# Altium PCB [OSHW_01]_RES-DEC-PCB-v2.PcbDoc
Units mm, origin at the board's own origin, x right, y up, seen from the top; angles counter-clockwise.
Board outline 95 x 50 mm, 2 copper layers (Top Layer, Bottom Layer); 132 components, 61 nets, 361 pads, 0 vias.
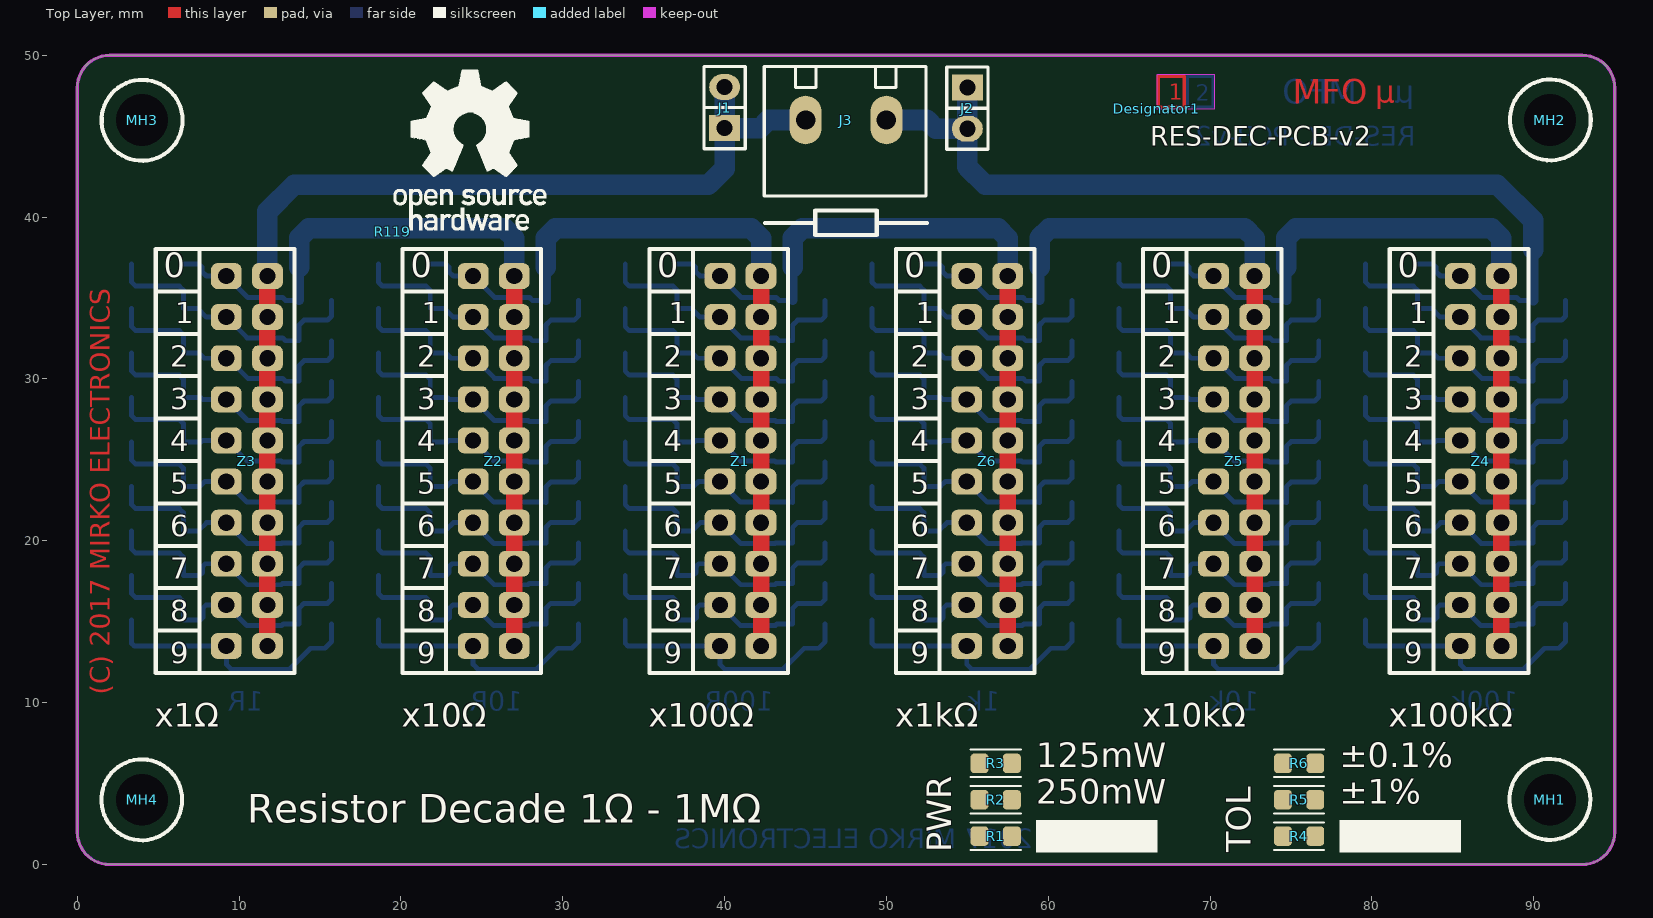
[diagram p0: Top Layer view]
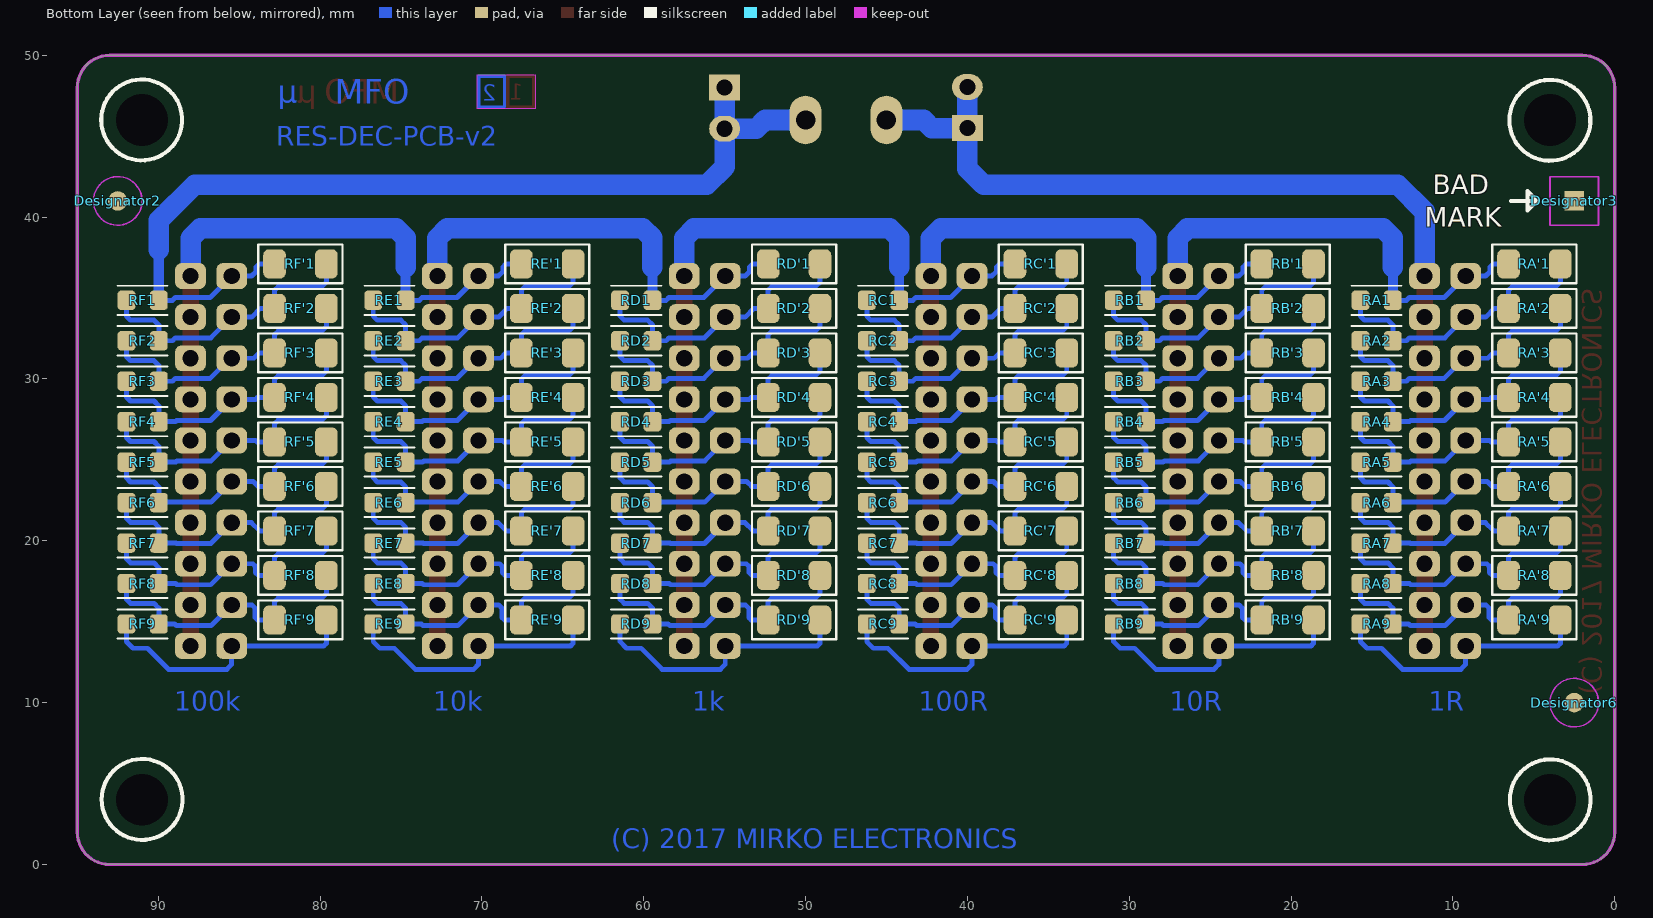
[diagram p1: Bottom Layer view, seen from below]
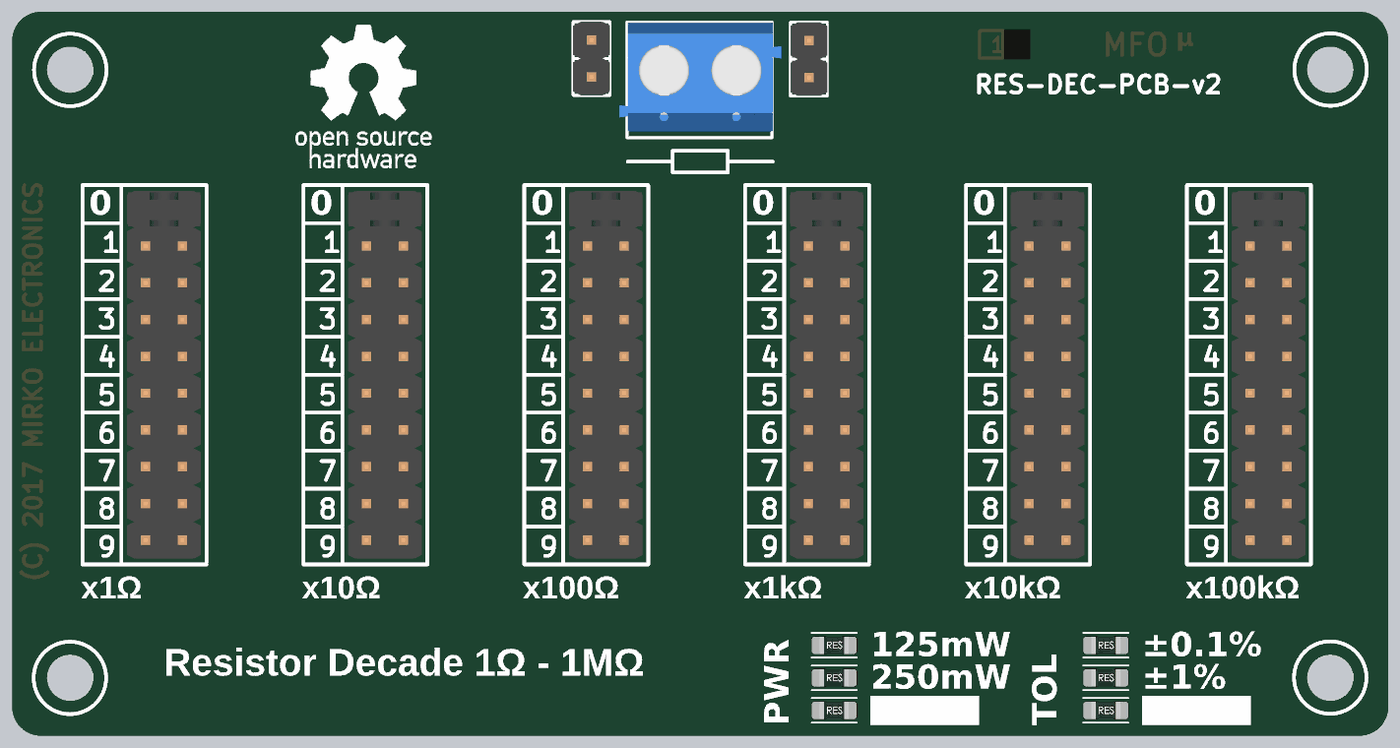
[diagram p2: 3D render of the assembled board from above, using the file's embedded part models]
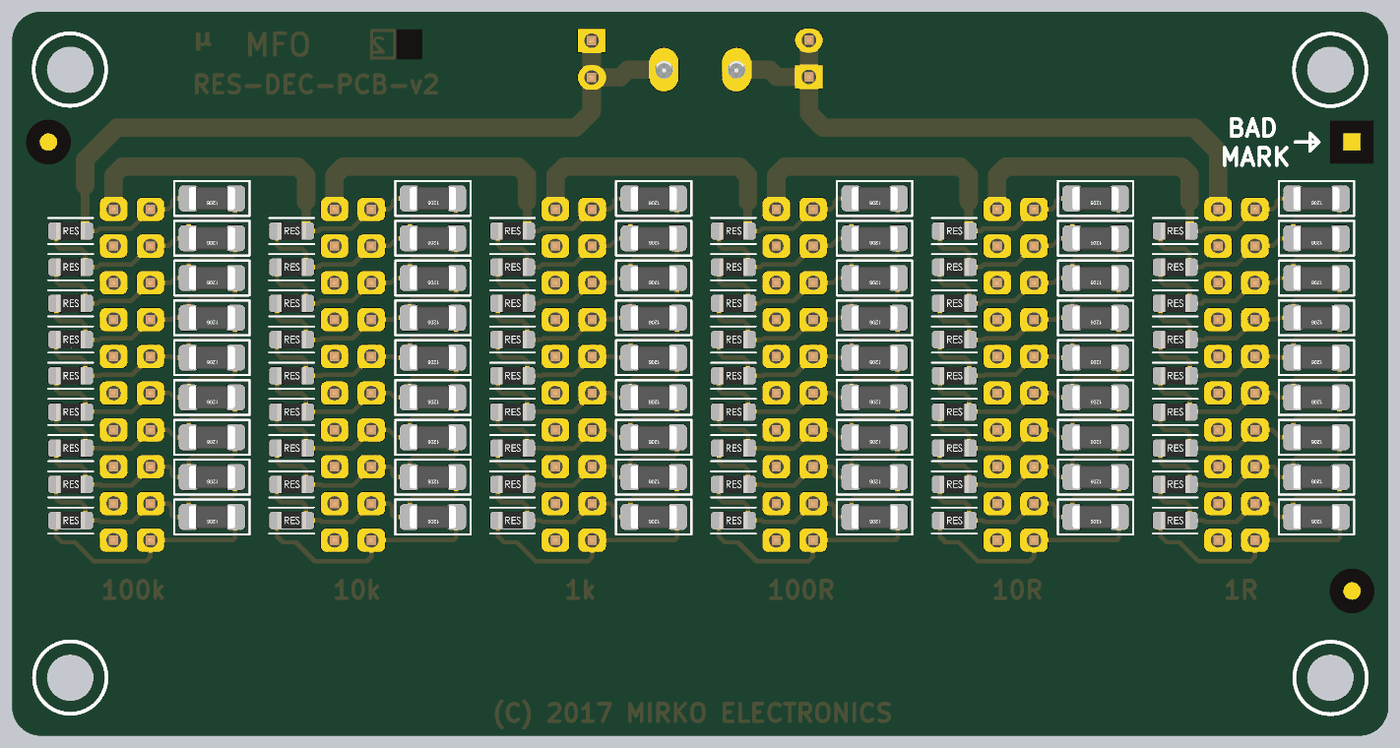
[diagram p3: 3D render of the assembled board from below, using the file's embedded part models]

## Layer stack, top to bottom
Top Solder: solder mask 0.0102, Solder Resist, Dk 3.5
Top Layer: signal copper 0.0356
Dielectric1: dielectric 0.32, FR-4, Dk 4.8
Bottom Layer: signal copper 0.0356
Bottom Solder: solder mask 0.0102, Solder Resist, Dk 3.5

## Board outline
0,2 ccw(c2,2) 2,0 93,0 ccw(c93,2) 95,2 95,48 ccw(c93,48) 93,50 2,50 ccw(c2,48) 0,48

## Design rules (kind name [scope] priority, off if disabled: settings)
Clearance [All] p1: gap=0.254 ignorepadtopadclearanceinfootprint=FALSE except(0: Arc-Hole Track-Hole SMDPad-Hole THPad-Hole Via-Hole Fill-Hole Poly-Hole Region-Hole Text-Hole)
FabricationTestPointUsage TestPointUsage [All] p1: valid=0 allowmultiple=FALSE
FabricationTestpoint Testpoint [All] p1: side=3 testpointundercomponent=TRUE minsize=1.016 maxsize=2.54 preferedsize=1.524 minholesize=0 maxholesize=1.016 preferedholesize=0.813 testpointgrid=0.025 allowsidetop=TRUE allowsidebottom=TRUE usegrid=TRUE gridtolerance=0
HoleSize [All] p1: absolutevalues=TRUE maxlimit=4 minlimit=0.3 maxpercent=80.000 minpercent=20.000
HoleToHoleClearance [All] p1: gap=0.4 allowstackedmicrovias=TRUE
MinimumAnnularRing [All] p1: minimumring=0.17
MinimumSolderMaskSliver [All] p1: minsoldermaskwidth=0.05
PlaneConnect PlaneConnect1 [(InPadClass('All Pads'))] p1: planeconnectstyle=Relief reliefexpansion=0.508 reliefentries=4 reliefconductorwidth=0.305 reliefairgap=0.254
PolygonConnect [(HasFootprint('TSSOP-24A') OR HasFootprint('SO8N') OR HasFootprint('SSOP8'))] p1: connectstyle=Relief reliefconductorwidth=0.254 reliefentries=4 polygonreliefangle="90 Angle" airgapwidth=0.254
PolygonConnect PolygonConnect_1 [(InPadClass('All Pads'))] p2: connectstyle=Relief reliefconductorwidth=0.406 reliefentries=4 polygonreliefangle="90 Angle" airgapwidth=0.254
PolygonConnect PolygonConnect_2 [All] p3: connectstyle=Direct reliefconductorwidth=0.305 reliefentries=4 polygonreliefangle="90 Angle" airgapwidth=0.254
RoutingVias [All] p1: holewidth=0.3 width=0.65 viastyle="Through Hole" minholewidth=0.3 minwidth=0.65 maxholewidth=4 maxwidth=4
SilkToSilkClearance [All] p1: silktosilkclearance=0.05
SilkToSolderMaskClearance SilkscreenOverComponentPads [IsPad] p1: minsilkscreentomaskgap=0.1 clearancetoexposedcopper=TRUE
SolderMaskExpansion SolderMaskExpansion_VIA [(IsVia)] p1: expansion=-10
SolderMaskExpansion [All] p2: expansion=0.05
Width [All] p1: maxlimit=2.54 minlimit=0.152 preferedwidth=0.203 minimp=50.000000 maximp=50.000000 favimp=50.000000
22 further rules are at their usual default settings.

## Components (designator, comment, footprint, x,y, rotation, side; value= is the part's Value field where it differs from the comment)
Designator1 "Comment" STACKUP_2LAYER_SM 66.7,46.7 r0 top
Designator2 "Comment" FIDUCIAL-1.2X2.4-ROUND-NOPASTE 92.5,41 r180 bottom
Designator3 "Comment" FIDUCIAL-1.2X2.4-RECTANGLE-NOPASTE 2.5,41 r180 bottom
Designator6 "Comment" FIDUCIAL-1.2X2.4-ROUND-NOPASTE 2.5,10 r180 bottom
J1 "ZL201-02G" SIP2 40,45.5 r90 top
J2 "ZL201-02G" SIP2 55,48 r270 top
J3 "DG301-5.0" ARC2 50,46 r180 top
MH1 "MOUNTING_HOLE" MH_3.2-2L 91,4 r180 top
MH2 "MOUNTING_HOLE" MH_3.2-2L 91,46 r90 top
MH3 "MOUNTING_HOLE" MH_3.2-2L 4,46 r0 top
MH4 "MOUNTING_HOLE" MH_3.2-2L 4,4 r270 top
R1 "CFG" 0805 56.75,1.75 r0 top
R2 "CFG" 0805 56.75,4 r0 top
R3 "CFG" 0805 56.75,6.25 r0 top
R4 "CFG" 0805 75.5,1.75 r0 top
R5 "CFG" 0805 75.5,4 r0 top
R6 "CFG" 0805 75.5,6.25 r0 top
R119 "Comment" PCB_OSHW_LOGO_1000 19.5,39.1 r0 top
RA1 "1R" 0805 14.71,34.86 r180 bottom
RA2 "1R" 0805 14.71,32.36 r180 bottom
RA3 "1R" 0805 14.71,29.86 r180 bottom
RA4 "1R" 0805 14.71,27.36 r180 bottom
RA5 "1R" 0805 14.71,24.86 r180 bottom
RA6 "1R" 0805 14.71,22.36 r180 bottom
RA7 "1R" 0805 14.71,19.86 r180 bottom
RA8 "1R" 0805 14.71,17.36 r180 bottom
RA9 "1R" 0805 14.71,14.86 r180 bottom
RA'1 "1R" 1206 4.96,37.11 r0 bottom
RA'2 "1R" 1206 4.96,34.36 r0 bottom
RA'3 "1R" 1206 4.96,31.61 r0 bottom
RA'4 "1R" 1206 4.96,28.86 r0 bottom
RA'5 "1R" 1206 4.96,26.11 r0 bottom
RA'6 "1R" 1206 4.96,23.36 r0 bottom
RA'7 "1R" 1206 4.96,20.61 r0 bottom
RA'8 "1R" 1206 4.96,17.86 r0 bottom
RA'9 "1R" 1206 4.96,15.11 r0 bottom
RB1 "10R" 0805 29.96,34.86 r180 bottom
RB2 "10R" 0805 29.96,32.36 r180 bottom
RB3 "10R" 0805 29.96,29.86 r180 bottom
RB4 "10R" 0805 29.96,27.36 r180 bottom
RB5 "10R" 0805 29.96,24.86 r180 bottom
RB6 "10R" 0805 29.96,22.36 r180 bottom
RB7 "10R" 0805 29.96,19.86 r180 bottom
RB8 "10R" 0805 29.96,17.36 r180 bottom
RB9 "10R" 0805 29.96,14.86 r180 bottom
RB'1 "10R" 1206 20.21,37.11 r0 bottom
RB'2 "10R" 1206 20.21,34.36 r0 bottom
RB'3 "10R" 1206 20.21,31.61 r0 bottom
RB'4 "10R" 1206 20.21,28.86 r0 bottom
RB'5 "10R" 1206 20.21,26.11 r0 bottom
RB'6 "10R" 1206 20.21,23.36 r0 bottom
RB'7 "10R" 1206 20.21,20.61 r0 bottom
RB'8 "10R" 1206 20.21,17.86 r0 bottom
RB'9 "10R" 1206 20.21,15.11 r0 bottom
RC1 "100R" 0805 45.21,34.86 r180 bottom
RC2 "100R" 0805 45.21,32.36 r180 bottom
RC3 "100R" 0805 45.21,29.86 r180 bottom
RC4 "100R" 0805 45.21,27.36 r180 bottom
RC5 "100R" 0805 45.21,24.86 r180 bottom
RC6 "100R" 0805 45.21,22.36 r180 bottom
RC7 "100R" 0805 45.21,19.86 r180 bottom
RC8 "100R" 0805 45.21,17.36 r180 bottom
RC9 "100R" 0805 45.21,14.86 r180 bottom
RC'1 "100R" 1206 35.46,37.11 r0 bottom
RC'2 "100R" 1206 35.46,34.36 r0 bottom
RC'3 "100R" 1206 35.46,31.61 r0 bottom
RC'4 "100R" 1206 35.46,28.86 r0 bottom
RC'5 "100R" 1206 35.46,26.11 r0 bottom
RC'6 "100R" 1206 35.46,23.36 r0 bottom
RC'7 "100R" 1206 35.46,20.61 r0 bottom
RC'8 "100R" 1206 35.46,17.86 r0 bottom
RC'9 "100R" 1206 35.46,15.11 r0 bottom
RD1 "1k" 0805 60.46,34.86 r180 bottom
RD2 "1k" 0805 60.46,32.36 r180 bottom
RD3 "1k" 0805 60.46,29.86 r180 bottom
RD4 "1k" 0805 60.46,27.36 r180 bottom
RD5 "1k" 0805 60.46,24.86 r180 bottom
RD6 "1k" 0805 60.46,22.36 r180 bottom
RD7 "1k" 0805 60.46,19.86 r180 bottom
RD8 "1k" 0805 60.46,17.36 r180 bottom
RD9 "1k" 0805 60.46,14.86 r180 bottom
RD'1 "1k" 1206 50.71,37.11 r0 bottom
RD'2 "1k" 1206 50.71,34.36 r0 bottom
RD'3 "1k" 1206 50.71,31.61 r0 bottom
RD'4 "1k" 1206 50.71,28.86 r0 bottom
RD'5 "1k" 1206 50.71,26.11 r0 bottom
RD'6 "1k" 1206 50.71,23.36 r0 bottom
RD'7 "1k" 1206 50.71,20.61 r0 bottom
RD'8 "1k" 1206 50.71,17.86 r0 bottom
RD'9 "1k" 1206 50.71,15.11 r0 bottom
RE1 "10k" 0805 75.71,34.86 r180 bottom
RE2 "10k" 0805 75.71,32.36 r180 bottom
RE3 "10k" 0805 75.71,29.86 r180 bottom
RE4 "10k" 0805 75.71,27.36 r180 bottom
RE5 "10k" 0805 75.71,24.86 r180 bottom
RE6 "10k" 0805 75.71,22.36 r180 bottom
RE7 "10k" 0805 75.71,19.86 r180 bottom
RE8 "10k" 0805 75.71,17.36 r180 bottom
RE9 "10k" 0805 75.71,14.86 r180 bottom
RE'1 "10k" 1206 65.96,37.11 r0 bottom
RE'2 "10k" 1206 65.96,34.36 r0 bottom
RE'3 "10k" 1206 65.96,31.61 r0 bottom
RE'4 "10k" 1206 65.96,28.86 r0 bottom
RE'5 "10k" 1206 65.96,26.11 r0 bottom
RE'6 "10k" 1206 65.96,23.36 r0 bottom
RE'7 "10k" 1206 65.96,20.61 r0 bottom
RE'8 "10k" 1206 65.96,17.86 r0 bottom
RE'9 "10k" 1206 65.96,15.11 r0 bottom
RF1 "100k" 0805 90.96,34.86 r180 bottom
RF2 "100k" 0805 90.96,32.36 r180 bottom
RF3 "100k" 0805 90.96,29.86 r180 bottom
RF4 "100k" 0805 90.96,27.36 r180 bottom
RF5 "100k" 0805 90.96,24.86 r180 bottom
RF6 "100k" 0805 90.96,22.36 r180 bottom
RF7 "100k" 0805 90.96,19.86 r180 bottom
RF8 "100k" 0805 90.96,17.36 r180 bottom
RF9 "100k" 0805 90.96,14.86 r180 bottom
RF'1 "100k" 1206 81.21,37.11 r0 bottom
RF'2 "100k" 1206 81.21,34.36 r0 bottom
RF'3 "100k" 1206 81.21,31.61 r0 bottom
RF'4 "100k" 1206 81.21,28.86 r0 bottom
RF'5 "100k" 1206 81.21,26.11 r0 bottom
RF'6 "100k" 1206 81.21,23.36 r0 bottom
RF'7 "100k" 1206 81.21,20.61 r0 bottom
RF'8 "100k" 1206 81.21,17.86 r0 bottom
RF'9 "100k" 1206 81.21,15.11 r0 bottom
Z1 "ZL202-20G" ZL202-20G 40.98,24.93 r270 top
Z2 "ZL202-20G" ZL202-20G 25.73,24.93 r270 top
Z3 "ZL202-20G" ZL202-20G 10.48,24.93 r270 top
Z4 "ZL202-20G" ZL202-20G 86.73,24.93 r270 top
Z5 "ZL202-20G" ZL202-20G 71.48,24.93 r270 top
Z6 "ZL202-20G" ZL202-20G 56.23,24.93 r270 top

## Footprints (in the part's own frame and the unit in brackets; to place one, negate y for a bottom-side part, rotate by r counter-clockwise, add the part's x,y. Pads: shape width x height; smd on the part's side, far side on the other; paste and mask are expansions set on the pad)
0805 [mm]
  rrect40% 1.1x1.2 smd: 1(-1,0) 2(1,0)
  silkscreen extent -1.55,-0.85 1.55,0.85, body extent -1,-0.6 1,0.6, height 0.4
1206 [mm]
  rrect50% 1.4x1.8 smd: 1(-1.6,0) 2(1.6,0)
  silkscreen extent -2.6,-1.2 2.6,1.2, body extent -1.6,-0.8 1.6,0.8, height 1
ARC2 [mm]
  oval 2x3 hole 1.2: 1(0,0) 2(5,0)
  silkscreen extent -2.45,-3.3 7.55,4.7, body extent -3.1,-3.25 8.1,4.25, height 9.95
FIDUCIAL-1.2X2.4-RECTANGLE-NOPASTE [mm]
  rect 1.2x1.2 smd paste-10 mask+0: 0(0,0)
  Top Layer keep-out lines w0.1: 1.5,-1.5 1.5,1.5 -1.5,1.5 -1.5,-1.5 1.5,-1.5
FIDUCIAL-1.2X2.4-ROUND-NOPASTE [mm]
  round 1.2 smd paste-10 mask+0: 0(0,0)
  Top Layer keep-out circle w0.1: c0,0 r1.5
MH_3.2-2L [mm]
  round 0 hole 3.2 unplated: 0(0,0)
  silkscreen extent -2.49,-2.52 2.5,2.48
PCB_OSHW_LOGO_1000 [mm]
  silkscreen extent 0.04,0.08 9.48,10
SIP2 [mm]
  rect 1.6x1.9 hole 1: 1(0,0)
  oval 1.6x1.9 hole 1: 2(2.54,0)
  silkscreen extent -1.27,-1.27 3.81,1.27, body extent -1.27,-1.27 3.81,1.27, height 8.57
STACKUP_2LAYER_SM [mm]
  Top Layer lines w0.203: 0.1,0.1 1.7,0.1 1.7,2 0.1,2 0.1,0.1
  Bottom Layer lines w0.203: 1.9,0.1 3.5,0.1 3.5,2 1.9,2 1.9,0.1
  Keep-Out Layer region: 0,2.1 0,0 3.6,0 3.6,2.1
ZL202-20G [mm]
  rrect50% 1.6x1.9 hole 1: 1(-11.43,-1.27) 2(-11.43,1.27) 3(-8.89,-1.27) 4(-8.89,1.27) 5(-6.35,-1.27) 6(-6.35,1.27) 7(-3.81,-1.27) 8(-3.81,1.27) 9(-1.27,-1.27) 10(-1.27,1.27) 11(1.27,-1.27) 12(1.27,1.27) 13(3.81,-1.27) 14(3.81,1.27) 15(6.35,-1.27) 16(6.35,1.27) 17(8.89,-1.27) 18(8.89,1.27) 19(11.43,-1.27) 20(11.43,1.27)
  silkscreen extent -13.1,-2.94 13.1,2.93, body extent -12.7,-2.54 12.7,2.54, height 16.34

## Part data
J1 J2: library part CON2, "Connector"
J3: library part ARC2
MH1 MH2 MH3 MH4: "Mounting Hole"
R1 R2 R3 R4 R5 R6 RA1 RA2 RA3 RA4 RA5 RA6 RA7 RA8 RA9 RA'1 RA'2 RA'3 RA'4 RA'5 RA'6 RA'7 RA'8 RA'9 RB1 RB2 RB3 RB4 RB5 RB6 RB7 RB8 RB9 RB'1 RB'2 RB'3 RB'4 RB'5 RB'6 RB'7 RB'8 RB'9 RC1 RC2 RC3 RC4 RC5 RC6 RC7 RC8 RC9 RC'1 RC'2 RC'3 RC'4 RC'5 RC'6 RC'7 RC'8 RC'9 RD1 RD2 RD3 RD4 RD5 RD6 RD7 RD8 RD9 RD'1 RD'2 RD'3 RD'4 RD'5 RD'6 RD'7 RD'8 RD'9 RE1 RE2 RE3 RE4 RE5 RE6 RE7 RE8 RE9 RE'1 RE'2 RE'3 RE'4 RE'5 RE'6 RE'7 RE'8 RE'9 RF1 RF2 RF3 RF4 RF5 RF6 RF7 RF8 RF9 RF'1 RF'2 RF'3 RF'4 RF'5 RF'6 RF'7 RF'8 RF'9: library part R0805
Z1 Z2 Z3 Z4 Z5 Z6: library part CON20
